# Altium PCB Coral Dev Board Micro.PcbDoc (part 4 of 6)
Units mm, origin at the board's own origin, x right, y up, seen from the top; angles counter-clockwise.
Board outline 65 x 30 mm, 8 copper layers (Top Layer, L2, L3, L4, L5, L6, L7, Bottom Layer), stack 1.582 mm thick; 356 components, 316 nets, 1515 pads, 809 vias.
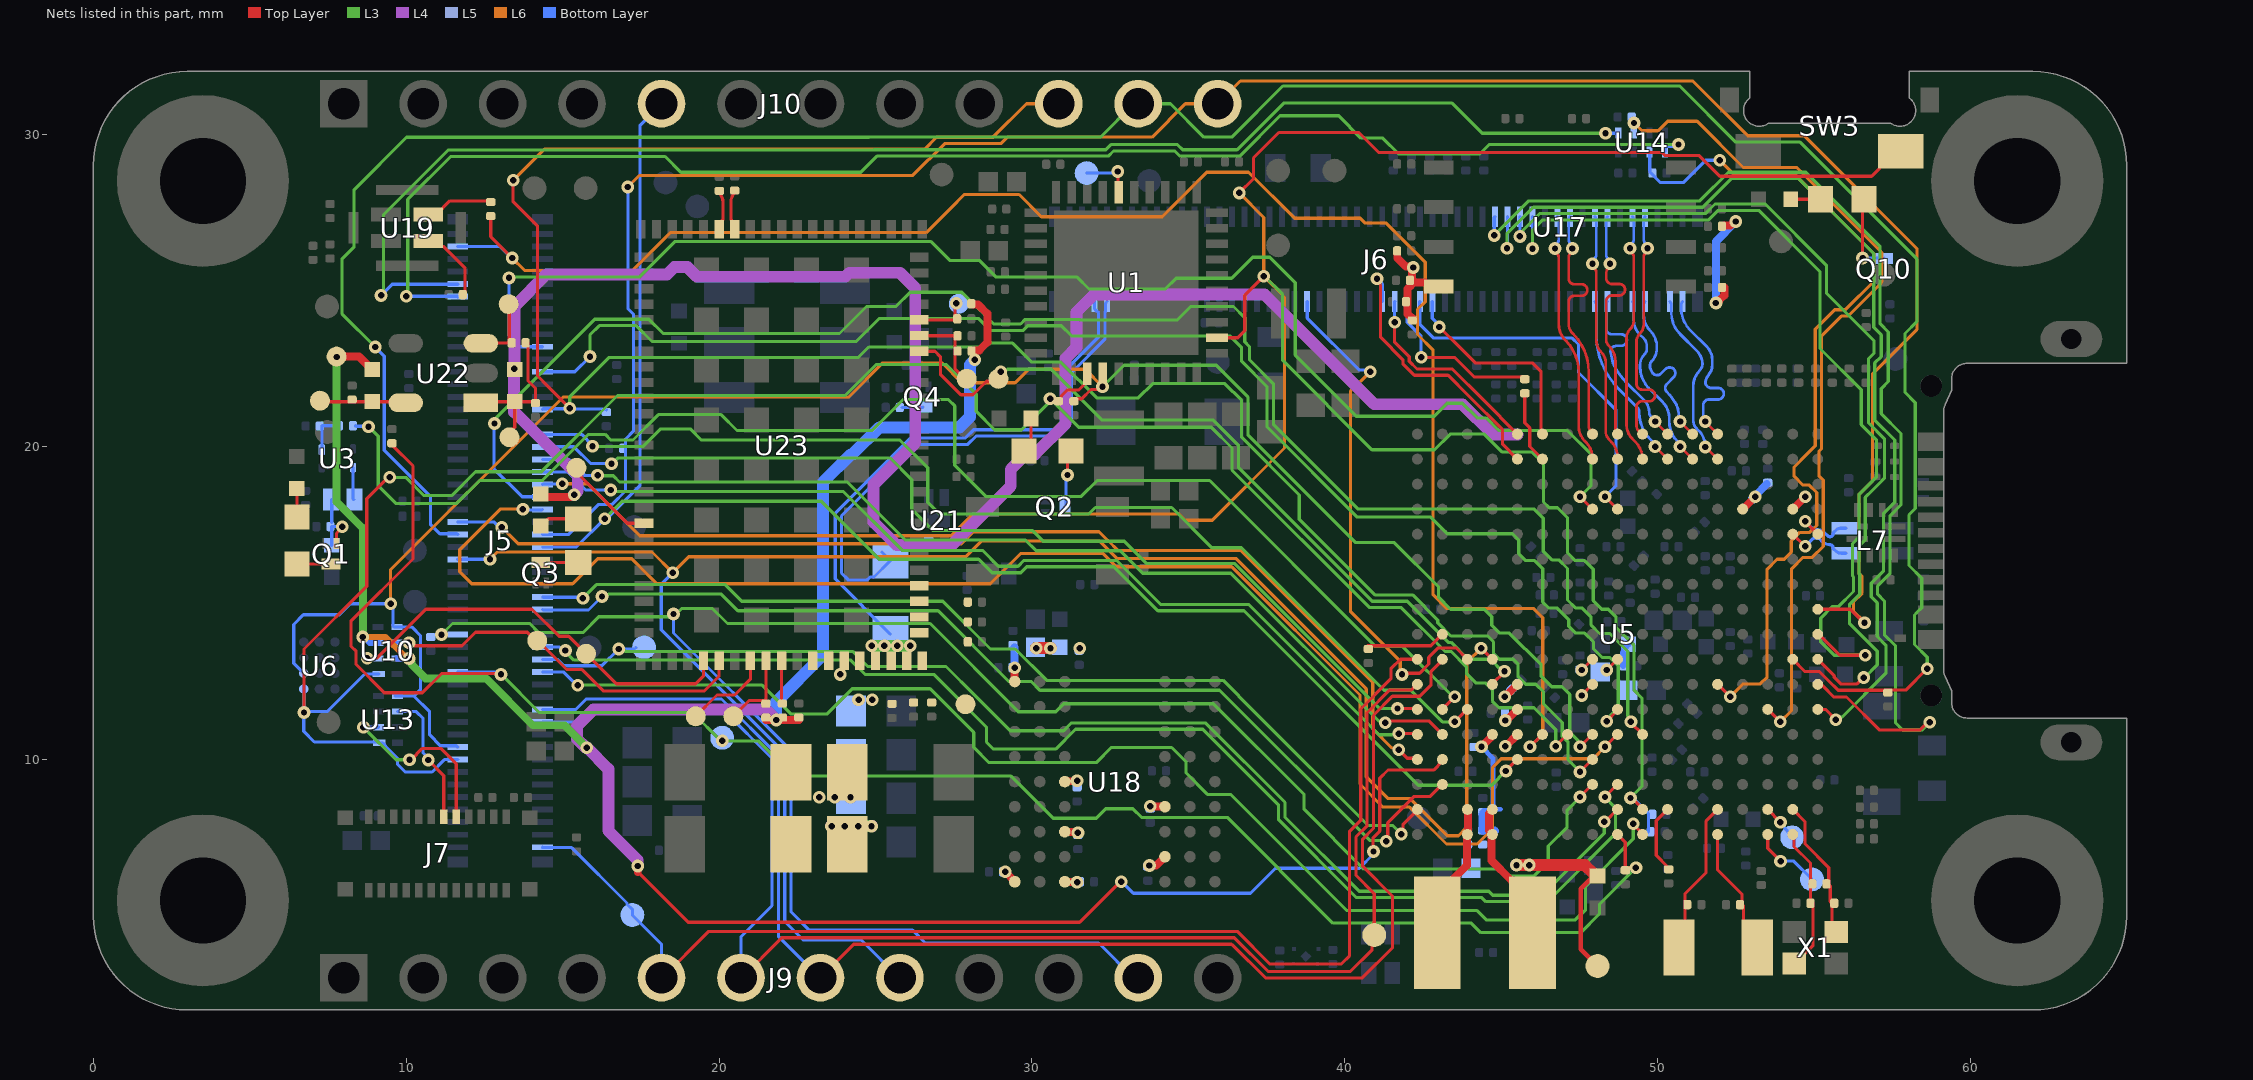
[diagram p10: the nets of this part, all layers, seen from the top]

## Via types
v1: diameter 0.406, hole 0.203, Top Layer to Bottom Layer, tented both sides, 809 vias

## Nets (pads, with @x,y where several pads share a name; then routed paths per layer and width w, separated by ;. In a path a pad name is that pad's centre, name@x,y a point inside that pad or via, vN(x,y) a via of type N, cw(c..) or ccw(c..) an arc to the next point about the centre after c; other vN are vias at no path point) (continued)
GPIO_SNVS_04: J5.58 U5.N10 | length 52.7
  Top Layer w0.102: v1(49.149,11.214) 49.149,11.181 U5.N10@49.522,10.808
  L3 w0.102: v1(12.82,20.746) 12.878,20.804 12.878,20.93 16.027,24.079 17.755,24.079 18.212,23.622 23.851,23.622 24.714,24.486 25.649,24.486 26.106,24.943 27.759,24.943 28.775,23.927 29.639,23.927 29.785,24.073 31.518,24.073 31.537,24.054 34.646,24.054 35.077,24.486 36.444,24.486 36.805,24.125 36.805,23.353 36.957,23.201 36.957,22.784 37.719,22.022 37.719,20.723 40.434,18.009 46.06,18.009 46.347,17.722 46.347,16.662 46.623,16.387 46.846,16.387 47.122,16.111 47.122,15.105 47.375,14.852 47.58,14.852 47.878,14.555 47.878,14.302 48.146,14.034 48.471,14.034 49.047,13.457 49.047,11.398 49.149,11.297 v1(49.149,11.214)
  Bottom Layer w0.102: v1(12.82,20.746) 12.802,20.727 12.802,19.304 13.703,18.402 14.353,18.402 J5.58@14.355,18.4
GPIO_SNVS_06: J5.78 U5.M9 | length 45.2
  Top Layer w0.102: v1(48.374,11.227) 48.722,11.575 U5.M9@48.722,11.608
  L3 w0.102: v1(15.875,22.885) 15.875,23.579 16.172,23.876 17.348,23.876 17.856,23.368 24.391,23.368 25.127,24.105 28.29,24.105 28.671,23.724 29.723,23.724 29.87,23.87 30.943,23.87 31.267,23.546 36.325,23.546 36.703,23.168 36.703,22.733 37.516,21.92 37.516,20.639 40.4,17.755 42.748,17.755 43.282,17.221 45.364,17.221 45.566,17.019 45.566,16.586 45.789,16.364 46.069,16.364 46.33,16.103 46.33,15.037 46.515,14.852 46.78,14.852 47.163,14.47 47.163,14.264 47.381,14.046 47.671,14.046 47.952,13.765 47.952,13.546 48.233,13.265 48.477,13.265 48.743,13 48.743,11.659 48.374,11.29 v1(48.374,11.227)
  Bottom Layer w0.102: J5.78@14.355,22.4 15.39,22.4 v1(15.875,22.885)
GPIO_SNVS_07: J5.34 U5.R9 | length 41.6
  Top Layer w0.102: v1(48.322,8.808) U5.R9@48.722,9.208
  L3 w0.102: v1(15.088,13.487) 15.088,13.453 15.358,13.183 24.209,13.183 24.666,12.725 26.864,12.725 28.55,11.04 28.55,10.824 28.55,10.561 28.773,10.338 30.759,10.338 31.394,10.973 35.464,10.973 37.888,8.548 37.888,8.076 40.377,5.588 44.385,5.588 44.512,5.461 46.482,5.461 48.654,7.633 48.654,8.468 48.322,8.8 v1(48.322,8.808)
  Bottom Layer w0.102: J5.34@14.355,13.6 14.893,13.6 15.005,13.487 v1(15.088,13.487)
GPIO_SNVS_08: J5.56 U5.N9 | length 50.4
  Top Layer w0.102: v1(48.322,10.408) U5.N9@48.722,10.808
  L6 w0.102: v1(13.729,18.009) 13.005,18.009 11.709,16.713 11.709,16.002 12.09,15.621 15.316,15.621 16.116,16.421 17.209,16.421 18.009,15.621 28.671,15.621 29.637,16.586 32.278,16.586 32.697,16.167 36.386,16.167 40.488,12.065 40.488,9.22 41.224,8.484 42.073,8.484 43.254,7.302 44.234,7.302 44.729,7.798 44.729,9.754 45.003,10.027 47.941,10.027 v1(48.322,10.408)
  Bottom Layer w0.102: v1@13.614,18.009 v1(13.729,18.009) ; v1@13.729,17.983 14.338,17.983 J5.56@14.355,18
I2C1_SCL: J5.51 J10.11 R46.1 U5.K16 | length 86.4
  Top Layer w0.102: U5.K16@54.322,13.208 54.716,12.814 55.179,12.814 55.448,12.545 55.776,12.217 57.358,12.217 57.363,12.222 57.934,12.222 58.615,12.903 v1(58.623,12.903)
  L3 w0.102: v1(9.004,23.19) 7.95,24.244 7.95,26.017 8.331,26.398 8.331,28.219 10.008,29.896 24.786,29.896 24.794,29.903 32.193,29.903 33.259,30.97 J10.11@33.4,30.97 ; J10.11@33.43,30.97 34.431,30.97 35.498,29.903 36.391,29.903 38.024,31.536 50.709,31.536 52.502,29.743 54.559,29.743 58.293,26.01 58.293,24.003 57.912,23.622 57.912,21.742 58.242,21.412 58.242,18.029 58.039,17.826 58.039,16.208 58.445,15.802 58.445,14.856 58.293,14.704 58.293,14.701 58.217,14.625 58.217,13.68 58.623,13.274 v1(58.623,12.903)
  Bottom Layer w0.102: v1(9.004,23.19) 9.296,22.898 9.296,19.888 10.77,18.415 10.77,17.526 11.074,17.222 11.623,17.222 J5.51@11.645,17.2
I2C1_SDA: J5.52 J10.12 R47.1 U5.H17 | length 72.6
  Top Layer w0.102: U5.H17@55.122,14.808 56.159,14.808 v1@56.591,14.376
  L6 w0.102: v1(17.084,28.306) 17.455,28.677 26.194,28.677 27.21,29.693 29.007,29.693 29.217,29.903 33.842,29.903 34.909,30.97 35.91,30.97 J10.12@35.925,30.985 ; J10.12@35.94,30.97 36.665,31.695 51.13,31.695 52.879,29.946 54.687,29.946 58.293,26.34 58.293,23.749 56.871,22.327 56.871,18.898 56.439,18.466 56.439,15.956 56.54,15.855 56.54,15.325 56.261,15.046 56.261,14.751 56.591,14.421 v1@56.591,14.376
  Bottom Layer w0.102: J5.52@14.355,17.2 15.193,17.2 16.154,18.161 16.581,18.161 17.008,18.588 17.008,19.952 17.008,20.247 17.259,20.498 17.259,24.248 17.084,24.423 v1(17.084,28.306)
  other v1: 56.617,14.376
I2C5_SCL: J5.17 R49.1 U1.14 U5.N8 U6.A3 U10.5 U13.5 | length 63.9
  Top Layer w0.102: R49.1@31.344,21.534 31.348,21.539 31.598,21.539 31.891,21.832 32.17,21.832 v1(32.258,21.92) 32.268,21.93 U1.14@32.268,22.253 ; v1(47.522,10.408) U5.N8@47.922,10.808
  L3 w0.102: v1(32.258,21.92) 32.944,22.606 35.898,22.606 36.906,21.598 36.906,20.387 40.354,16.939 41.583,16.939 43.002,15.519 43.002,15.189 43.383,14.808 44.461,14.808 44.703,14.566 44.703,14.296 44.953,14.046 45.263,14.046 46.278,13.031 46.278,12.668 46.614,12.332 46.947,12.332 47.193,12.085 47.193,10.871 47.464,10.601 47.464,10.466 v1(47.522,10.408)
  L6 w0.102: v1(9.5,14.986) 9.5,16.078 15.011,21.59 24.138,21.59 25.23,22.682 27.127,22.682 27.762,22.047 29.464,22.047 29.895,22.478 31.7,22.478 v1(32.258,21.92)
  Bottom Layer w0.102: U6.A3@6.722,12.759 6.401,13.08 6.401,14.32 6.711,14.63 7.857,14.63 8.212,14.986 v1(9.5,14.986) 9.5,14.904 9.574,14.829 9.574,14.287 9.623,14.237 10.185,14.237 10.452,13.97 10.452,12.236 10.252,12.036 10.239,12.036 ; U13.5@9.64,12.036 U13.5@9.716,12.036 10.239,12.036 ; J5.17@11.645,10.4 11.601,10.444 11.09,10.444 10.744,10.79 10.744,11.532 10.239,12.036
I2C5_SCL_CAM: J7.7 U13.6 | length 4.3
  Top Layer w0.102: v1(10.704,9.987) 11.2,9.491 J7.7@11.2,8.175
  Bottom Layer w0.102: U13.6@9.716,11.536 10.325,11.536 10.536,11.326 10.536,10.22 10.704,10.052 v1(10.704,9.987)
I2C5_SCL_MCM: TP41.1 U10.6 U23.50 | length 12.1
  Top Layer w0.102: v1(10.084,13.741) 10.166,13.741 10.266,13.642 10.882,13.642 10.884,13.64 11.781,13.64 12.212,14.072 13.872,14.072 14.136,13.807 TP41.1@14.187,13.807 ; TP41.1@14.186,13.805 14.211,13.805 15.138,12.878 15.621,12.878 16.307,12.192 19.517,12.192 20,12.675 U23.50@20,13.158
  Bottom Layer w0.102: U10.6@9.698,13.737 9.986,13.737 10.084,13.64 v1(10.084,13.741)
I2C5_SDA: J5.15 R48.1 U1.13 U5.N7 U6.A4 U10.1 U13.1 | length 67.2
  Top Layer w0.102: v1(6.731,11.506) 6.731,13.538 8.738,15.545 8.738,18.339 9.423,19.025 v1(9.474,19.025) ; R48.1@30.848,21.534 30.873,21.534 30.947,21.609 30.947,21.634 31.133,21.819 31.496,21.819 31.686,22.008 31.686,22.255 U1.13@31.77,22.34 ; v1(46.749,10.427) 46.749,10.435 U5.N7@47.122,10.808
  L3 w0.102: v1(9.474,19.025) 9.982,19.025 10.566,18.44 11.45,18.44 12.212,19.202 14.314,19.202 16.753,21.641 24.028,21.641 25.019,22.631 27.269,22.631 28.219,21.681 28.219,21.133 28.804,20.549 29.667,20.549 30.582,21.463 v1(30.582,21.539) 31.494,20.626 35.736,20.626 36.398,19.964 36.398,19.257 40.796,14.859 41.814,14.859 43.215,13.458 43.404,13.458 43.891,12.971 43.891,12.756 44.201,12.446 44.507,12.446 44.72,12.233 44.72,11.871 44.933,11.659 46.05,11.659 46.749,10.96 v1(46.749,10.427)
  Bottom Layer w0.102: U6.A4@6.722,12.259 6.726,12.254 6.726,11.544 6.726,11.511 v1(6.731,11.506) ; U10.1@9.123,12.737 8.673,12.737 7.48,11.544 6.769,11.544 v1(6.731,11.506) ; U13.1@9.141,10.536 9.241,10.536 9.29,10.487 9.29,10.472 9.388,10.373 9.477,10.284 ; U13.1@9.141,10.564 7.064,10.564 6.722,10.906 6.722,11.497 v1(6.731,11.506) ; 9.477,10.284 9.718,10.043 9.718,9.855 9.967,9.606 10.825,9.606 11.219,10 J5.15@11.645,10
I2C5_SDA_CAM: J7.8 U13.2 | length 5.9
  Top Layer w0.102: v1(10.104,9.997) 10.155,9.997 10.516,10.358 11.105,10.358 11.6,9.863 J7.8@11.6,8.175
  L3 w0.102: v1(8.63,11.04) 9.672,9.997 v1(10.104,9.997)
  Bottom Layer w0.102: v1(8.63,11.04) v1(8.63,11.04) 9.114,11.038 U13.2@9.116,11.036
I2C5_SDA_MCM: TP42.1 U10.2 U23.49 | length 13
  Top Layer w0.102: v1(8.75,13.246) 9.055,13.246 10.617,14.808 14.021,14.808 14.884,13.945 15.189,13.945 TP42.1@15.748,13.386 16.707,12.427 19.26,12.427 19.5,12.667 U23.49@19.5,13.158
I2C6_SCL: J5.35 J9.11 R51.1 U5.R8 | length 66.5
  Top Layer w0.102: v1(47.522,8.808) U5.R8@47.922,9.208
  L3 w0.102: v1(11.125,13.998) 11.479,14.351 13.945,14.351 14.235,14.061 15.649,14.061 16.154,14.567 18.513,14.567 v1@18.572,14.626 ; v1(18.542,14.656) 18.624,14.656 18.802,14.834 19.787,14.834 20.269,14.351 26.745,14.351 29.564,11.532 30.76,11.532 31.014,11.786 35.8,11.786 38.701,8.885 38.701,8.413 40.612,6.502 44.966,6.502 45.195,6.274 46.045,6.274 46.507,6.736 46.507,7.239 47.109,7.841 47.109,8.387 47.522,8.8 v1(47.522,8.808)
  L6 w0.102: J9.11@33.4,3 J9.11@33.4,3.189
  Bottom Layer w0.102: v1(18.542,14.656) 18.542,14.048 22.301,10.288 22.301,5.131 22.885,4.547 26.187,4.547 26.594,4.14 32.131,4.14 33.271,3 J9.11@33.4,3
I2C6_SDA: J5.72 J10.10 R50.1 U5.P8 | length 71
  Top Layer w0.102: v1(13.416,28.519) 13.416,27.833 14.199,27.051 14.199,22.263 14.503,21.958 v1(15.227,21.234) ; v1(47.522,9.608) U5.P8@47.922,10.008
  L3 w0.102: v1(15.227,21.234) 15.227,21.603 16.485,22.86 24.457,22.86 24.788,23.19 28.482,23.19 28.609,23.317 29.383,23.317 29.595,23.105 29.992,22.708 30.924,22.708 32.067,21.565 33.401,21.565 33.858,22.022 36.164,22.022 36.703,21.483 36.703,20.303 38.546,18.46 38.546,17.684 40.965,15.265 42.172,15.265 42.977,14.461 42.977,14.37 43.396,13.951 44.57,13.951 44.758,13.763 44.758,13.396 44.947,13.208 45.39,13.208 45.542,13.056 45.542,12.649 45.783,12.408 46.114,12.408 46.355,12.167 46.355,11.786 46.952,11.189 46.952,10.746 47.142,10.556 47.142,9.988 v1(47.522,9.608)
  L6 w0.102: v1(13.416,28.519) 14.414,29.517 26.57,29.517 26.949,29.896 28.754,29.896 29.829,30.97 J10.10@30.83,30.97
  Bottom Layer w0.102: J5.72@14.355,21.2 14.372,21.217 15.21,21.217 v1(15.227,21.234) 15.253,21.209 16.37,21.209 R50.1@16.396,21.184
LED_BRD_A: LED4.2 R170.1 | length 0.9
  Top Layer w0.102: R170.1@54.259,27.915 LED4.2@55.205,27.915
LED_BRD_K: LED4.1 Q10.3 | length 2.6
  Top Layer w0.102: v1(56.556,26.035) 56.556,27.865 LED4.1@56.605,27.915
  Bottom Layer w0.102: v1(56.556,26.035) Q10.3@57.236,26.035
LED_PRIVACY: LED2.A R168.1 | length 0.9
  Top Layer w0.102: LED2.A@6.5,17.75 6.502,17.752 R168.1@6.502,18.669
LED_PRIVACY_K: LED2.K Q1.3 | length 1.1
  Top Layer w0.102: LED2.K@6.5,16.25 7.589,16.25 Q1.3@7.595,16.256
LED_TPU: LED5.2 R171.1 | length 1.3
  Top Layer w0.102: R171.1@14.3,17.471 14.313,17.471 14.542,17.7 LED5.2@15.5,17.7
LED_TPU_K: LED5.1 Q3.3 | length 1.2
  Top Layer w0.102: Q3.3@14.3,16.302 14.302,16.3 LED5.1@15.5,16.3
LED_USR_A: LED3.A R169.1 | length 1.2
  Top Layer w0.102: LED3.A@29.75,19.873 29.977,20.1 R169.1@29.977,20.904 ; R169.1@30.002,20.904 R169.1@30.002,20.93
LED_USR_K: LED3.K Q2.3 | length 1.9
  Top Layer w0.102: v1(31.14,19.101) 31.14,19.763 LED3.K@31.25,19.873
  Bottom Layer w0.102: Q2.3@31.059,18.085 31.09,18.115 31.09,19.05 v1(31.14,19.101)
LPSPI1_PCS0: J6.71 U5.M17 | length 32.2
  Top Layer w0.102: U5.M17@55.122,11.608 55.127,11.603 55.377,11.603 v1(55.702,11.278)
  L3 w0.102: v1(45.187,26.352) 45.187,26.815 46.032,27.661 51.448,27.661 52.362,28.575 54.519,28.575 56.601,26.492 56.911,26.182 56.911,23.818 57.15,23.579 57.15,22.885 56.947,22.682 56.947,20.853 57.582,20.218 57.582,18.231 57.226,17.875 57.226,16.033 56.832,15.638 56.832,15.202 57.023,15.011 57.023,13.937 57.302,13.657 57.302,12.756 55.913,11.367 55.874,11.367 55.785,11.278 v1(55.702,11.278)
  Bottom Layer w0.102: v1(45.187,26.352) 45.2,26.366 J6.71@45.2,27.355
LPSPI1_SCK: J6.69 U5.L17 | length 36.6
  Top Layer w0.102: U5.L17@55.122,12.408 55.17,12.36 55.28,12.36 55.636,12.004 56.043,12.004 57.102,10.944 58.381,10.944 58.636,11.2 v1(58.7,11.2)
  L3 w0.102: v1(44.78,26.759) 45.885,27.864 51.354,27.864 52.268,28.778 54.737,28.778 57.114,26.401 57.114,23.937 57.379,23.673 57.379,22.088 57.15,21.859 57.15,21.062 57.785,20.427 57.785,18.146 57.436,17.797 57.436,15.954 57.035,15.554 57.035,15.286 57.252,15.07 57.252,13.995 57.607,13.64 57.607,11.176 57.839,10.944 58.444,10.944 v1(58.7,11.2)
  Bottom Layer w0.102: v1(44.78,26.759) 44.78,27.335 J6.69@44.8,27.355
LPSPI1_SDI: J6.75 U5.J17 | length 28.7
  Top Layer w0.102: U5.J17@55.122,14.008 55.156,14.008 55.829,13.335 v1(56.642,13.335)
  L3 w0.102: v1(46.002,26.337) 46.002,26.926 46.33,27.254 51.633,27.254 51.938,27.559 53.238,27.559 55.194,25.603 55.194,23.145 56.515,21.824 56.515,20.71 56.998,20.228 56.998,19.027 56.439,18.469 56.439,17.112 56.236,16.908 56.236,15.872 56.265,15.843 56.265,15.376 55.776,14.887 55.578,14.887 55.216,14.525 55.216,13.771 55.651,13.335 v1(56.642,13.335)
  Bottom Layer w0.102: J6.75@46,27.355 46,26.339 v1(46.002,26.337)
LPSPI1_SDO: J6.73 U5.K17 | length 28.8
  Top Layer w0.102: U5.K17@55.122,13.208 55.651,12.679 55.651,12.629 55.86,12.421 56.379,12.421 56.582,12.624 v1(56.591,12.624)
  L3 w0.102: v1(45.601,26.727) 45.601,26.81 45.699,26.908 45.699,26.929 46.228,27.457 51.532,27.457 51.837,27.762 53.442,27.762 55.397,25.806 55.397,24.917 56.921,23.393 56.921,22.992 56.744,22.814 56.744,20.769 57.252,20.261 57.252,18.994 57.064,18.806 56.856,18.598 56.642,18.384 56.642,17.027 56.439,16.824 56.439,15.956 56.468,15.927 56.468,15.292 56.134,14.958 56.134,14.356 57.023,13.467 57.023,13.03 56.617,12.624 v1(56.591,12.624)
  Bottom Layer w0.102: v1@45.601,26.728 J6.73@45.601,27.354
LPSPI6_CS0: J5.50 J10.5 U5.P5 | length 50.1
  Top Layer w0.102: v1(45.153,9.639) U5.P5@45.522,10.008
  L3 w0.102: v1(16.345,17.704) 16.904,18.263 23.266,18.263 25.121,16.408 28.296,16.408 28.727,15.977 29.642,15.977 29.833,16.167 32.62,16.167 34.03,14.757 36.779,14.757 42.355,9.182 44.696,9.182 v1(45.153,9.639)
  Bottom Layer w0.102: J5.50@14.355,16.8 15.441,16.8 v1(16.345,17.704) 16.411,17.704 17.475,18.768 17.475,30.285 J10.5@18.16,30.97 J10.5@18.16,31
LPUART1_RXD: J5.91 U14.5 | length 46.7
  L3 w0.102: v1(9.195,24.841) 9.271,24.917 9.271,27.423 11.338,29.489 24.955,29.489 24.962,29.497 32.361,29.497 32.526,29.662 34.654,29.662 34.819,29.497 36.559,29.497 38.051,30.988 43.434,30.988 44.399,30.023 v1(48.336,30.023)
  Bottom Layer w0.102: v1(9.195,24.841) 9.554,25.2 J5.91@11.645,25.2 ; v1(48.336,30.023) 48.74,30.023 U14.5@48.743,30.026
LPUART1_RXD_BT: R21.1 U5.M15 U14.6 | length 27.2
  Top Layer w0.102: U5.M15@53.522,11.608 v1(53.922,11.208)
  L6 w0.102: v1(49.247,30.353) 49.256,30.353 49.503,30.106 50.02,30.106 50.324,30.41 51.265,30.41 52.744,28.931 54.449,28.931 57.175,26.206 57.175,25.265 56.091,24.181 55.88,24.181 55.245,23.546 55.245,19.947 55.166,19.868 55.166,19.061 55.296,18.931 55.296,16.815 54.946,16.465 54.651,16.465 54.286,16.1 54.286,11.572 v1(53.922,11.208)
  Bottom Layer w0.102: v1(49.247,30.353) v1@49.247,30.366
LPUART1_TXD: J5.89 U14.1 | length 48.3
  L3 w0.102: v1(9.995,24.816) 10.046,24.867 10.046,27.91 11.417,29.281 18.276,29.281 18.779,28.778 24.531,28.778 25.046,29.294 32.445,29.294 32.61,29.459 34.569,29.459 34.735,29.294 36.644,29.294 37.932,30.582 39.807,30.582 40.518,29.87 41.215,29.87 41.723,29.362 44.323,29.362 44.628,29.667 v1(50.673,29.667)
  Bottom Layer w0.102: v1(9.995,24.816) 11.604,24.816 11.616,24.803 11.629,24.816 J5.89@11.645,24.8 ; U14.1@50.243,29.451 50.243,29.551 50.292,29.6 50.523,29.6 50.591,29.667 v1(50.673,29.667)
LPUART1_TXD_BT: R53.1 U5.L13 U14.2 | length 27.7
  Top Layer w0.102: U5.L13@51.922,12.408 v1(52.322,12.008)
  L6 w0.102: v1(51.994,29.159) 52.425,28.728 54.365,28.728 56.921,26.172 56.921,25.298 56.007,24.384 55.661,24.384 55.042,23.765 55.042,20.031 54.772,19.761 54.366,19.355 54.366,19.061 54.651,18.776 54.857,18.776 55.093,18.54 55.093,17.486 54.871,17.265 54.55,17.265 54.278,16.993 54.278,16.635 54.051,16.408 53.82,16.408 53.503,16.092 53.503,12.634 53.289,12.421 52.735,12.421 v1(52.322,12.008)
  Bottom Layer w0.102: U14.2@49.743,29.426 49.753,29.416 49.753,28.814 49.763,28.804 49.763,28.779 50.094,28.448 50.825,28.448 51.537,29.159 v1(51.994,29.159)
LPUART2_CTS_B: J6.56 R45.2 | length 5.5
  Top Layer w0.102: v1(42.443,22.86) 43.51,22.86 44.133,22.238 R45.2@45.758,22.238
  Bottom Layer w0.102: J6.56@42,24.645 42,23.984 42.443,23.541 v1(42.443,22.86)
LPUART2_CTS_B_R: R45.1 U5.B6 | length 2.3
  Top Layer w0.102: R45.1@45.758,21.638 45.758,20.765 45.918,20.604 45.918,20.012 U5.B6@46.322,19.608
LPUART2_RTS_B: J6.54 U5.A5 | length 6.5
  Top Layer w0.102: v1(41.596,23.987) 41.59,23.98 41.59,23.358 42.062,22.885 42.062,22.738 42.311,22.489 43.441,22.489 44.425,21.505 U5.A5@45.522,20.408
  Bottom Layer w0.102: v1(41.596,23.987) 41.596,24.641 J6.54@41.6,24.645
LPUART2_RXD: J6.60 U5.A6 | length 6.8
  Top Layer w0.102: v1(43.023,23.83) 43.658,23.194 44.171,22.682 45.994,22.682 46.279,22.398 46.279,20.451 U5.A6@46.322,20.408
  Bottom Layer w0.102: J6.60@42.8,24.645 42.8,24.111 43.023,23.888 v1(43.023,23.83)
LPUART2_TXD: J6.58 U5.D9 | length 12.1
  Top Layer w0.102: v1(48.322,18.408) U5.D9@48.722,18.008
  Bottom Layer w0.102: J6.58@42.4,24.645 42.4,23.919 42.845,23.475 47.269,23.475 47.473,23.271 47.473,22.377 48.678,21.172 48.678,18.764 v1(48.322,18.408)
LPUART6_CTS_B: J5.24 J9.7 U5.K2 | length 46.9
  Top Layer w0.102: J9.7@23.281,3 J9.7@23.583,3.303 ; J9.7@23.635,3.251 23.635,3.425 24.307,4.097 36.379,4.097 36.412,4.064 36.427,4.064 37.469,3.023 40.564,3.023 41.529,3.988 41.529,5.639 40.564,6.604 40.564,7.445 40.919,7.801 40.919,9.49 40.921,9.491 40.921,11.017 40.919,11.018 40.919,11.423 41.523,12.027 42.405,12.027 42.757,12.378 42.757,12.81 43.122,13.175 U5.K2@43.122,13.208
  Bottom Layer w0.102: J5.24@14.355,11.6 15.41,11.6 15.748,11.938 20.077,11.938 21.895,10.12 21.895,4.356 J9.7@23.24,3.011
LPUART6_RTS_B: J5.47 J9.8 U5.K4 | length 62.5
  Top Layer w0.102: v1(44.36,13.564) 44.363,13.564 44.719,13.208 U5.K4@44.722,13.208
  L6 w0.102: v1(12.675,16.408) 12.903,16.637 17.856,16.637 v1(18.517,15.977) 19.025,16.485 27.889,16.485 28.397,16.993 32.154,16.993 32.357,16.789 32.362,16.789 32.717,16.434 36.519,16.434 40.691,12.262 40.691,9.449 41.377,8.763 42.081,8.763 43.275,7.569 43.637,7.569 43.904,7.836 43.904,13.108 v1(44.36,13.564)
  Bottom Layer w0.102: J5.47@11.645,16.4 11.649,16.404 12.67,16.404 v1(12.675,16.408) ; v1(18.517,15.977) 18.148,15.608 18.148,14.154 22.098,10.204 22.098,4.826 22.682,4.242 24.538,4.242 J9.8@25.78,3
LPUART6_RXD: J5.22 J9.6 TP31.1 U5.L1 | length 47
  Top Layer w0.102: J9.6@20.7,3 22.005,4.305 36.473,4.305 37.553,3.226 40.183,3.226 40.877,3.92 40.877,4.327 TP31.1@40.945,4.394 40.945,5.715 40.361,6.299 40.361,7.529 40.716,7.885 40.716,9.574 40.718,9.575 40.718,10.933 40.716,10.934 40.716,11.507 41.439,12.23 42.138,12.23 42.316,12.408 U5.L1@42.322,12.408
  Bottom Layer w0.102: J5.22@14.355,11.2 15.543,11.2 15.926,11.582 20.145,11.582 21.692,10.036 21.692,5.334 20.7,4.342 J9.6@20.7,3
LPUART6_TXD: J5.2 J9.5 TP30.1 U5.K1 | length 40.2
  Top Layer w0.102: J9.5@18.16,3 19.669,4.508 36.563,4.508 37.605,3.467 39.891,3.467 40.157,3.734 40.157,7.709 40.513,8.064 40.513,11.62 41.478,12.586 41.478,12.903 41.783,13.208 U5.K1@42.322,13.208
  Bottom Layer w0.102: J5.2@14.355,7.2 14.367,7.188 15.286,7.188 17.057,5.417 17.057,5.383 17.227,5.214 TP30.1@17.227,5.035 18.16,4.102 J9.5@18.16,3
LPUART8_RXD: J5.82 U5.D8 | length 45.6
  Top Layer w0.102: v1(47.522,18.408) U5.D8@47.922,18.008
  L3 w0.102: v1(13.284,25.4) 13.31,25.425 17.45,25.425 18.593,26.568 26.761,26.568 27.37,25.959 28.321,25.959 28.854,25.425 31.445,25.425 31.826,25.044 34.265,25.044 34.61,25.39 36.385,25.39 37.056,26.06 37.609,26.06 38.42,25.25 38.42,22.932 40.371,20.98 42.868,20.98 43.28,21.392 43.764,21.392 44.232,20.925 44.52,20.925 44.922,20.523 47.117,20.523 47.878,19.763 47.878,18.764 v1(47.522,18.408)
  Bottom Layer w0.102: v1(13.284,25.4) 13.284,23.546 13.63,23.2 J5.82@14.355,23.2
LPUART8_TXD: J6.52 U5.B5 | length 9.1
  Top Layer w0.102: v1(41.034,25.375) 41.034,25.292 41.148,25.178 41.148,23.498 41.859,22.787 41.859,22.654 42.227,22.286 43.307,22.286 43.952,21.641 45.049,20.544 45.049,20.081 U5.B5@45.522,19.608
  Bottom Layer w0.102: v1(41.034,25.375) 41.2,25.208 J6.52@41.2,24.645
MCM_1V8: C98.1 R99.2 R110.2 R116.2 R137.2 R138.2 TP34.1 U5.P2 U10.3 U10.7 | length 81.7
  Top Layer w0.102: v1@17.4,6.415 19.015,4.8 31.524,4.8 32.82,6.096 v1(32.855,6.096) ; v1(40.919,7.064) 40.907,7.077 40.907,7.501 41.123,7.716 41.123,9.406 41.385,9.668 41.707,9.668
  Top Layer w0.104: 41.707,9.668 42.84,9.668 43.122,9.95 U5.P2@43.122,10.008
  Top Layer w0.254: v1(7.772,22.873) TP34.1@7.772,22.885 8.493,22.885 8.903,22.475 R99.2@8.915,22.475 ; v1@17.4,6.415 v1(17.4,6.6) ; R138.2@21.498,11.267 v1(21.825,11.267) 22.025,11.267 22.547,11.267 C98.1@22.552,11.272 ; R116.2@28.138,24.575 28.138,24.553 28.14,24.552 28.28,24.552 28.575,24.257 28.575,23.343 28.319,23.086 28.148,23.086 28.146,23.084 28.148,23.082 28.148,22.804 v1(28.169,22.784)
  L4 w0.381: v1(15.773,10.384) 15.769,10.389 15.733,10.389 15.456,10.666 15.456,11.076 15.987,11.608 21.485,11.608 v1(21.825,11.267) ; v1@15.781,10.376 16.459,9.698 16.459,7.731 17.4,6.79 v1(17.4,6.6)
  L3 w0.254: v1(7.772,22.873) 7.767,22.868 7.767,18.243 8.611,17.4 v1(8.611,13.919) ; v1(10.084,13.233) 10.084,13.192 10.16,13.116 10.16,13.056 10.617,12.598 12.547,12.598 14.045,11.1 15.057,11.1 v1(15.773,10.384)
  L6 w0.203: v1(8.611,13.919) 9.331,13.919 9.915,13.335 9.927,13.335 10.029,13.233 v1(10.084,13.233)
  Bottom Layer w0.102: v1(32.855,6.096) 32.876,6.096 33.245,5.727 36.989,5.727 37.789,6.528 40.462,6.528 40.919,6.985 v1(40.919,7.064)
  Bottom Layer w0.203: v1(8.611,13.919) 8.649,13.919 8.831,13.737 U10.3@9.098,13.737 ; U10.7@9.698,13.237 9.7,13.236 10.081,13.236 v1(10.084,13.233)
  Bottom Layer w0.381: v1(21.825,11.267) 21.825,11.843 23.317,13.335 23.317,18.861 24.217,19.761 24.264,19.761 25.127,20.625 27.686,20.625 28.016,20.955 28.016,22.625 28.169,22.777 v1(28.169,22.784)